# Altium PCB PCB_FRONT.PcbDoc (part 3 of 3)
Units mm, origin at the board's own origin, x right, y up, seen from the top; angles counter-clockwise.
Board outline 310 x 130 mm, 2 copper layers (Top Layer, Bottom Layer); 320 components, 233 nets, 1212 pads, 650 vias.
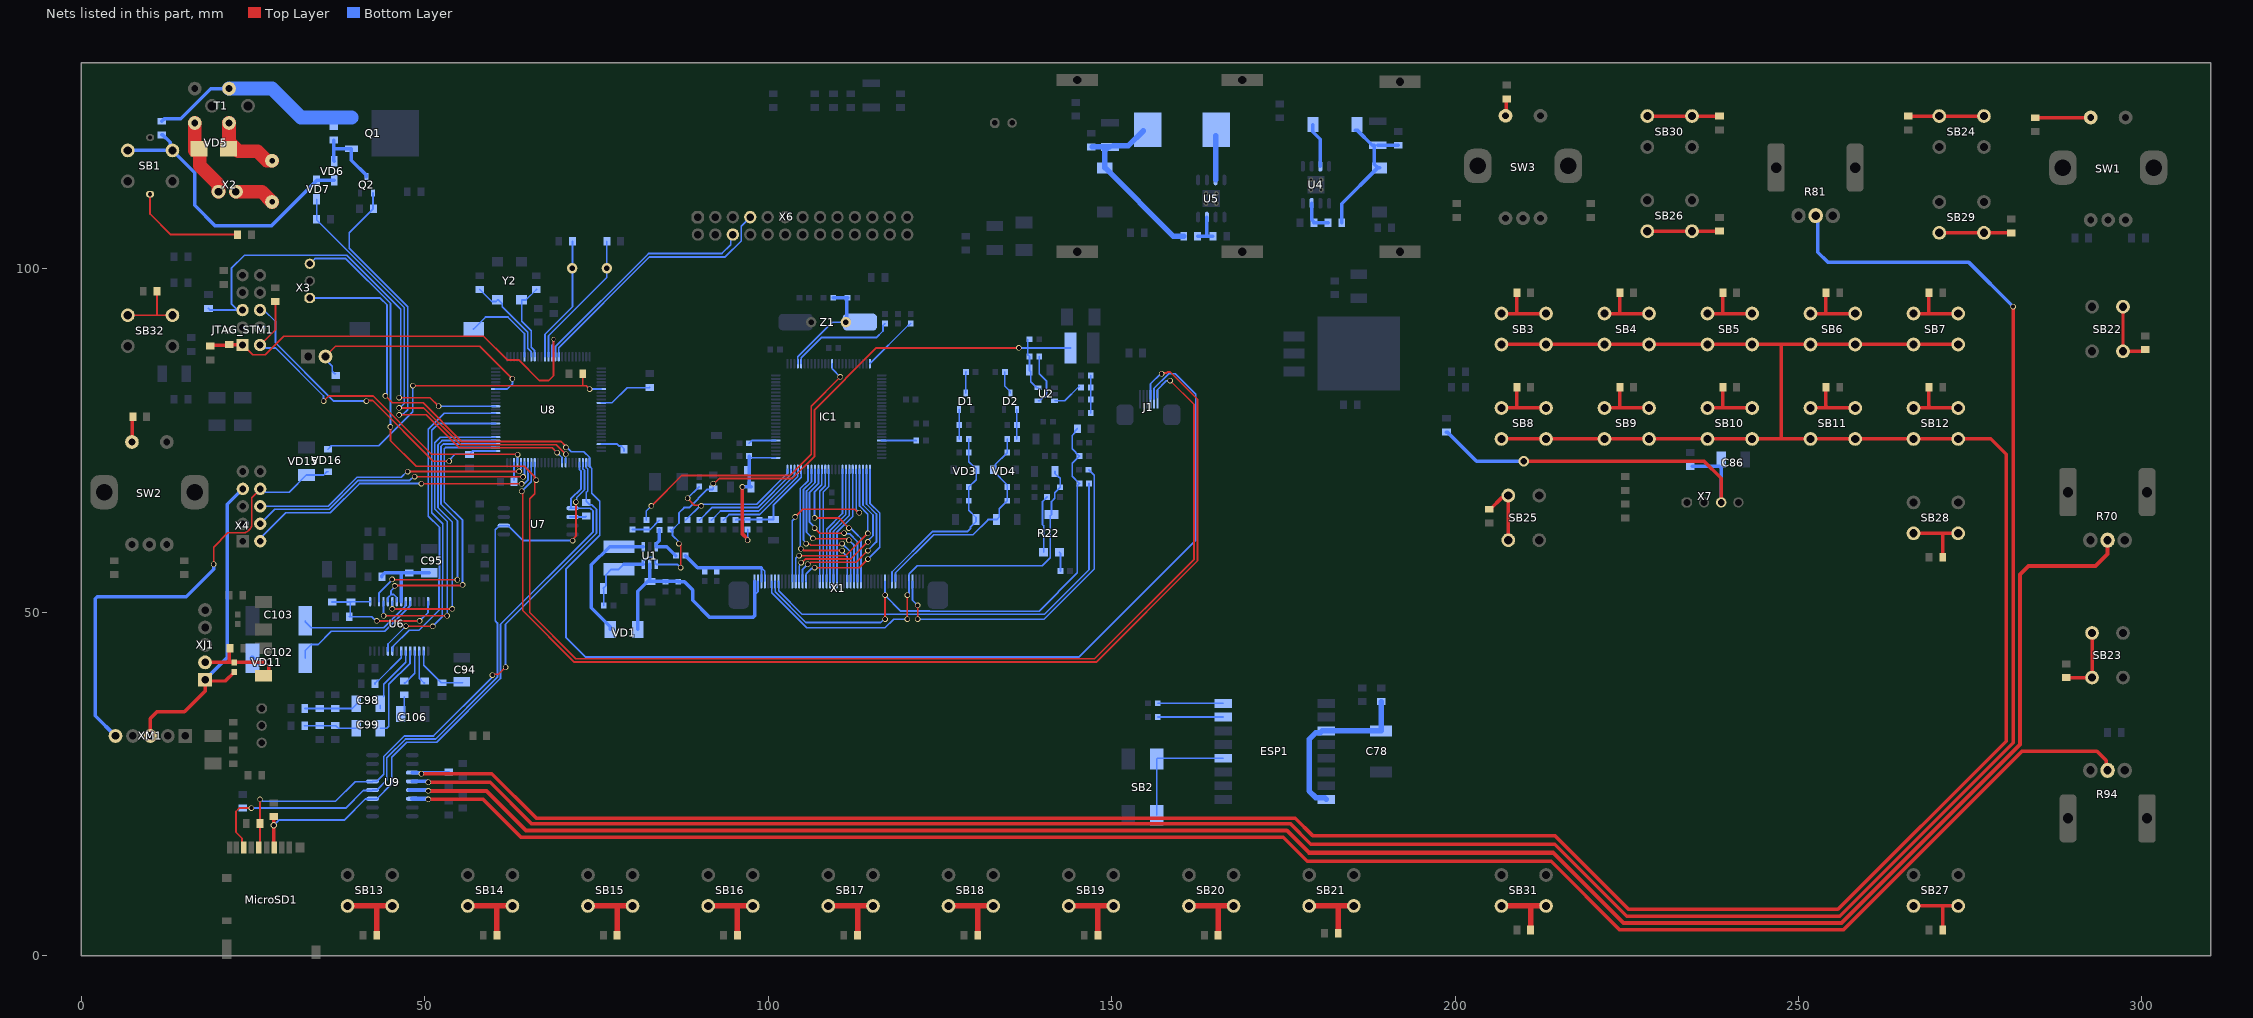
[diagram p3: the nets of this part, all layers, seen from the top]

## Via types
v1: diameter 0.7, hole 0.6, Top Layer to Bottom Layer, tented both sides, 337 vias
v2: diameter 0.8, hole 0.6, Top Layer to Bottom Layer, tented both sides, 249 vias
v3: diameter 1, hole 0.8, Top Layer to Bottom Layer, tented both sides, 37 vias
v4: diameter 5.3, hole 3.2, Top Layer to Bottom Layer, 7 vias
v5: diameter 1.5, hole 1, Top Layer to Bottom Layer, tented both sides, 6 vias
v6: diameter 0.6, hole 0.5, Top Layer to Bottom Layer, tented both sides, 4 vias
v7: diameter 0.6, hole 0.4, Top Layer to Bottom Layer, tented both sides, 3 vias
v8: diameter 1, hole 0.6, Top Layer to Bottom Layer, tented both sides, 3 vias
v9: diameter 1.2, hole 0.9, Top Layer to Bottom Layer, tented both sides, 2 vias
v10: diameter 0.8, hole 0.6, Top Layer to Bottom Layer, tented top, 1 vias
v11: diameter 0.7, hole 0.5, Top Layer to Bottom Layer, tented both sides, 1 vias

## Nets (pads, with @x,y where several pads share a name; then routed paths per layer and width w, separated by ;. In a path a pad name is that pad's centre, name@x,y a point inside that pad or via, vN(x,y) a via of type N, cw(c..) or ccw(c..) an arc to the next point about the centre after c; other vN are vias at no path point) (continued)
NetC5_2: C5.2 C6.2 C9.2 C10.2 FB2.1 L1.2 L2.2 R6.2 R7.2 U1.4 U1.6 U2.5 | length 105.8
  Top Layer w0.254: v2(87.25,56.5) v2@87.25,60 ; v2(92,68.75) 92.148,68.75 92.88,69.482 103.482,69.482 106.75,72.75 106.75,79.5 115.75,88.5 v2(136.5,88.5)
  Bottom Layer w0.254: C10.2@76.05,51 76.05,53.45 C9.2@76,53.5 76.373,53.873 76.373,55.477 77.146,56.25 L2.2@78.25,56.25 L2.2@78.975,56.975 ; U1.6@81.8,56.975 81.8,57.4 82.148,57.748 82.148,57.81 82.34,58.002 83.16,58.002 83.552,57.61 83.552,57.123 U1.4@83.7,56.975 86.775,56.975 v2(87.25,56.5) ; R6.2@85.75,62.05 R6.2@85.899,61.901 ; v2@87,60.25 86.048,61.202 86.048,61.752 R6.2@85.899,61.901 ; v2(92,68.75) FB2.1@92,68 91.893,67.893 91.143,67.893 88.5,65.25 87.75,65.25 87,64.5 87,63.002 R6.2@85.899,61.901 ; v2(136.5,88.5) 137.8,88.5 ; C6.2@137.8,89.75 137.8,88.5 ; U2.5@139.3,82.7 139.1,82.7 138.211,83.589 138.211,85.039 C5.2@138,85.25 138.05,85.3 R7.2@138.05,87.25 137.8,87.5 137.8,88.5 ; L1.2@144,88.5 137.8,88.5
  Bottom Layer w0.508: L2.2@78.975,56.975 U1.6@81.8,56.975
  other v2: 87,60
NetC7_2: C7.2 IC1.4 R4.2 Z1.2 | length 15.8
  Bottom Layer w0.254: IC1.4@104.309,86.201 104.309,87.217 109.341,92.25 Z1.2@111.294,92.25
  Bottom Layer w0.508: R4.2@109.454,95.804 C7.2@111.55,95.804 111.422,95.676 111.422,92.378 Z1.2@111.294,92.25
NetC11_2: C11.2 IC1.5 | length 15.6
  Bottom Layer w0.254: IC1.5@104.809,86.207 104.809,87.075 107.733,90 115.75,90 116.702,90.952 116.702,91.752 116.973,92.023 C11.2@117.023,92.023
NetC14_1: C14.1 R8.2 R10.1 | length 4.5
  Bottom Layer w0.254: C14.1@80.25,62.05 R8.2@82.25,62.05 82.8,62.05 R10.1@84.146,63.396
NetC19_1: C19.1 R11.2 R15.1 R16.2 | length 5.5
  Bottom Layer w0.254: C19.1@146.95,79 R15.1@146.95,81 R11.2@146.95,82.75 R16.2@146.95,84.5
NetC22_1: C22.1 IC1.75 R19.1 | length 23.1
  Top Layer w0.254: v2(88.25,66.604) 89.25,65.604 90.146,65.604 v2(90.25,65.5)
  Bottom Layer w0.254: C22.1@88,63.45 90.3,65.75 98.3,65.75 102.8,70.25 IC1.75@102.8,70.8 ; v2@88.25,66.5 v2(88.25,66.604) R19.1@89.946,68.3
NetC24_1: C24.1 IC1.74 | length 16.8
  Bottom Layer w0.254: C24.1@90,63.45 91.8,65.25 98.475,65.25 103.291,70.067 103.291,70.791 IC1.74@103.3,70.8
NetC27_1: C27.1 IC1.73 | length 15.6
  Bottom Layer w0.254: C27.1@91.75,63.45 93.05,64.75 98.617,64.75 103.791,69.925 103.791,70.791 IC1.73@103.8,70.8
NetC28_2: C28.2 C33.2 IC1.71 R20.2 R23.1 | length 14.5
  Bottom Layer w0.254: R20.2@95.25,63.45 95.3,63.5 97,63.5 98.75,63.5 C28.2@100.75,63.5 100.75,65.599 104.8,69.649 IC1.71@104.8,70.8
NetC30_2: C30.2 D2.3 | length 3.4
  Bottom Layer w0.254: C30.2@134.45,85 134.45,82.95 135.25,82.15 D2.3@135.25,81.95
NetC31_2: C31.2 D1.3 | length 3.1
  Bottom Layer w0.254: D1.3@128.75,81.95 128.75,84.95 C31.2@128.8,85
NetC32_1: C32.1 IC1.72 | length 14.4
  Bottom Layer w0.254: C32.1@93.5,63.45 94.3,64.25 98.759,64.25 104.291,69.783 104.291,70.791 IC1.72@104.3,70.8
NetC35_2: C35.2 C37.2 FB3.2 IC1.76 R23.2 | length 19.2
  Top Layer w0.508: v2(96.25,68.25) 96.25,61.398 97,60.648 v2(97,60.5)
  Bottom Layer w0.254: v2@97,60.75 R23.2@97,62.05 ; C35.2@97.2,68.541 97.491,68.25 C35.2@97.5,68.241 ; C37.2@97.2,72.75 97.45,72.5 IC1.76@101.1,72.5
  Bottom Layer w0.508: v2(96.25,68.25) C35.2@97.491,68.25 ; C35.2@97.2,68.541 C37.2@97.2,72.75
NetC38_2: C38.2 D2.1 R25.1 | length 4.3
  Bottom Layer w0.254: R25.1@136.2,75.25 D2.1@136.2,79.55
NetC39_1: C39.1 D1.2 R24.1 | length 4.3
  Bottom Layer w0.254: R24.1@127.8,75.25 C39.1@127.8,77.25 D1.2@127.8,79.55
NetC69_2: C69.2 C71.2 L3.1 L5.2 R33.2 | length 20.6
  Bottom Layer w0.508: R33.2@183.5,106.75 183.5,109.5 188.7,114.7 L5.2@188.796,114.7 ; L3.1@185.496,120.154 185.796,120.154 187.95,118 188.25,118 188.25,115.246 L5.2@188.796,114.7 ; C71.2@188.75,118 C69.2@191.75,118 ; L5.2@189,114.7 L5.2@188.796,114.7
NetC70_2: C70.2 C72.2 L4.1 L6.2 R34.2 | length 27.2
  Bottom Layer w0.8: C70.2@147.2,117.767 149,117.767 C72.2@149.5,117.767 ; C72.2@149,117.75 C72.2@149.75,117.75 ; C72.2@149.5,117.75 149.258,117.508 149,117.25 149,114.75 159,104.75 R34.2@160.5,104.75 ; C72.2@150.25,117.9 152.4,117.9 L4.1@154.615,120.115
NetC78_1: C78.1 ESP1.3 ESP1.8 FB6.1 | length 25.8
  Bottom Layer w0.8: ESP1.8@181.25,22.75 181,23 179.75,23 178.75,24 178.75,31.5 179.75,32.5 180.4,32.5 180.65,32.75 C78.1@189.25,32.75 FB6.1@189.25,37
NetC86_1: C86.1 C87.2 FB7.1 X7.3 | length 54.1
  Top Layer w0.508: v5(210,72) 236.25,72 238.75,69.5 238.75,66.75
  Bottom Layer w0.508: FB7.1@198.75,76.25 198.875,76.25 203.125,72 v5(210,72) ; C87.2@234.5,71.25 238.452,71.25 238.75,70.952 238.75,66.75
NetC92_2: C92.2 C96.2 FB9.1 U6.1 U6.14 | length 21.6
  Top Layer w0.254: v2(43,48.75) v2(49.25,48.75)
  Bottom Layer w0.254: C92.2@36.5,51.5 FB9.1@39.25,51.5 ; U6.1@42.025,51.559 41.996,51.529 39.279,51.529 FB9.1@39.25,51.5 ; v2(43,48.75) 42.852,48.75 42.257,49.346 C96.2@39,49.346 39.125,49.471 39.125,51.375 FB9.1@39.25,51.5 ; v2(49.25,48.75) 50.457,49.957 50.457,51.54 U6.14@50.475,51.559
NetC93_2: C93.2 C95.1 FB8.1 U6.8 | length 11.4
  Bottom Layer w0.508: FB8.1@43.75,55.191 43.75,55.316 44.184,55.75 46.5,55.75 ; U6.8@46.575,51.559 46.575,55.675 46.5,55.75 ; C95.1@50.613,55.75 C93.2@47.709,55.75 46.5,55.75
NetC94_1: C94.1 C97.2 U6.16 | length 8.8
  Bottom Layer w0.254: U6.16@49.825,44.359 49.825,42.3 52.375,39.75 C94.1@55.5,39.75
NetC98_1: C98.1 U6.20 | length 8.5
  Bottom Layer w0.254: C98.1@43.5,35.959 C98.1@43.5,36.459 ; C98.1@44,37.709 44,39.5 47.207,42.707 47.207,44.34 U6.20@47.225,44.359
NetC98_2: C98.2 C104.1 R42.1 R44.1 | length 7.8
  Bottom Layer w0.254: R44.1@32.519,36 C104.1@34.673,36 R42.1@36.927,36 39.427,36 40,36.573 C98.2@40,36.67
NetC99_1: C99.1 U6.19 | length 13.6
  Bottom Layer w0.254: C99.1@43.5,33.115 44.45,33.115 44.75,33.415 44.75,39.5 47.857,42.607 47.857,44.34 U6.19@47.875,44.359
NetC99_2: C99.2 C105.2 R43.2 R45.1 | length 7.7
  Bottom Layer w0.254: R45.1@32.468,33.5 C105.2@34.673,33.5 R43.2@36.927,33.5 37.052,33.5 37.437,33.115 C99.2@40,33.115
NetC102_1: C102.1 U6.10 | length 19.7
  Bottom Layer w0.254: C102.1@32.6,43.296 32.6,44.446 33.473,45.319 34.468,45.319 36.399,47.25 44.151,47.25 47.727,50.826 47.727,50.86 47.875,51.008 U6.10@47.875,51.559
NetC103_1: C103.1 U6.9 | length 17
  Bottom Layer w0.254: C103.1@32.6,48.75 32.6,48.623 33.473,47.75 44.001,47.75 47.077,50.826 47.077,50.86 47.225,51.008 U6.9@47.225,51.559
NetC106_1: C106.1 R48.2 | length 3
  Bottom Layer w0.254: C106.1@46.5,34.904 47,35.404 R48.2@47,37.709
NetC108_2: C108.2 U8.12 Y1.1 | length 18.5
  Bottom Layer w0.254: U8.12@67.5,87.2 67.5,90.5 71.5,94.5 71.5,100.102 C108.2@71.5,104
NetC109_2: C109.2 U8.13 Y1.2 | length 20.3
  Bottom Layer w0.254: U8.13@68,87.2 68,90.25 76.5,98.75 Y1.2@76.5,100.102 C109.2@76.5,104
NetC111_2: C111.2 U8.48 | length 3.9
  Bottom Layer w0.254: U8.48@75.7,74.5 75.709,74.491 78.009,74.491 78.297,74.203 78.627,74.203 79,73.83 C111.2@79,73.5
NetC112_2: C112.2 U8.73 | length 2.6
  Bottom Layer w0.254: C112.2@63,69.25 62.991,69.259 62.991,71.791 U8.73@63,71.8
NetC115_2: C115.2 U8.32 VD16.1 | length 47.8
  Top Layer w0.254: v2(48.25,83) 73,83 ; C115.2@73,84.75 73,83 ; v2(74,82.5) 73.5,83 73,83
  Bottom Layer w0.254: VD16.1@35.9,73.75 36.4,74.25 43.278,74.25 48.25,79.222 v2(48.25,83) ; v2(74,82.5) U8.32@75.7,82.5
NetC116_1: C116.1 U8.8 Y2.1 | length 13.8
  Bottom Layer w0.254: C116.1@58,97 59.75,95.25 60.356,95.25 Y2.1@60.606,95.5 60.706,95.5 61.279,94.927 61.279,94.471 65,90.75 65,88.425 65.477,87.948 65.477,87.785 65.5,87.762 U8.8@65.5,87.2
NetC117_1: C117.1 U8.9 Y2.4 | length 11.9
  Bottom Layer w0.254: U8.9@66,87.2 66,87.762 65.977,87.785 65.977,88.09 65.5,88.567 65.5,90.996 64.094,92.402 Y2.4@64.094,95.487 64.737,95.487 C117.1@66.25,97
NetESP1_12: ESP1.12 SB2.1 | length 17.9
  Bottom Layer w0.254: SB2.1@156.575,20.45 SB2.1@156.575,28.65 156.675,28.75 ESP1.12@166.25,28.75
NetESP1_15: ESP1.15 R40.1 | length 9.5
  Bottom Layer w0.254: R40.1@156.7,34.75 ESP1.15@166.25,34.75
NetESP1_16: ESP1.16 R39.1 | length 9.5
  Bottom Layer w0.254: R39.1@156.7,36.75 ESP1.16@166.25,36.75
NetFU1_1: FU1.1 T1.2 VD5.2 | length 10.1
  Top Layer w2: T1.2@21.5,121.25 21.5,118.5 22.875,117.125 25.625,117.125 27,115.75 FU1.1@27.75,115.75
NetFU1_2: FU1.2 X2.1 | length 5.9
  Top Layer w2: X2.1@22.5,111.25 26.25,111.25 FU1.2@27.75,109.75
NetG1_1: G1.1 U8.6 | length 12.5
  Bottom Layer w0.254: G1.1@57.1,91.25 58.85,93 62.095,93 64.5,90.595 U8.6@64.5,87.2
NetIC1_25: IC1.25 R5.2 | length 8.4
  Bottom Layer w0.254: IC1.25@114.8,86.2 120.352,91.752 120.452,91.752 R5.2@120.75,92.05
NetIC1_45: IC1.45 R14.2 | length 5
  Bottom Layer w0.254: IC1.45@116.5,75 R14.2@121.55,75
NetIC1_81: IC1.81 R13.1 | length 4.1
  Bottom Layer w0.254: R13.1@97.2,74.604 97.596,75 IC1.81@101.1,75
NetJ2_2: J2.2 R99.2 U8.94 | length 36.5
  Top Layer w0.254: J2.2@35.504,87.254 37,88.75 58,88.75 v2(62.75,84)
  Bottom Layer w0.254: J2.2@35.54,87.25 35.54,86.778 36.502,85.816 36.502,85.123 36.875,84.75 R99.2@37,84.75 ; U8.94@60.3,82.5 60.309,82.509 62.009,82.509 62.75,83.25 v2(62.75,84)
NetL2_1: L2.1 U1.1 VD1.1 | length 19.2
  Bottom Layer w0.508: VD1.1@77,47.5 77,47.9 74.25,50.65 74.25,56.9 76.9,59.55 L2.1@78.25,59.55 U1.1@81.8,59.55
NetL3_2: L3.2 U4.7 | length 6.5
  Bottom Layer w0.508: L3.2@179.3,121 179.3,119.95 180.385,118.865 U4.7@180.385,114.95
NetL4_2: L4.2 U5.7 | length 6.4
  Bottom Layer w0.8: U5.7@165.135,112.95 L4.2@165.135,119.385
NetQ1_1: Q1.1 Q2.3 R29.1 VD6.1 | length 10.6
  Bottom Layer w0.508: R29.1@36.75,118.75 36.75,117.5 ; VD6.1@36.805,115.679 36.75,115.734 36.75,117.5 ; Q2.3@41.5,113.45 41.5,113.65 39.309,115.841 Q1.1@39.309,117.47 36.78,117.47 36.75,117.5
NetQ1_2: Q1.2 R29.2 R30.2 T1.1 | length 31.3
  Bottom Layer w0.508: R30.2@11.719,121.5 12.092,121.873 14.434,121.873 18.811,126.25 T1.1@21.5,126.25
  Bottom Layer w2: T1.1@21.5,126.25 27.75,126.25 31.97,122.03 Q1.2@39.309,122.03
NetR1_2: R1.2 X1.8 | length 63.2
  Bottom Layer w0.254: X1.8@101.5,54.5 101.523,54.477 101.523,53.124 104.92,49.727 122.566,49.727 122.574,49.719 140.219,49.719 146.7,56.2 R1.2@146.7,68.75
NetR2_1: R2.1 X1.47 | length 49.3
  Top Layer w0.254: v2(121.75,49) v2(121.75,51)
  Bottom Layer w0.254: X1.47@121,54.5 121,51.75 v2(121.75,51) ; v2(121.75,49) 140.142,49 147.452,56.31 147.452,69.948 R2.1@146.65,70.75
NetR7_1: R7.1 U2.4 | length 7.7
  Bottom Layer w0.254: U2.4@139.3,80.8 139.5,80.8 140.02,81.32 140.32,81.32 140.5,81.5 140.5,83.701 139.45,84.751 R7.1@139.45,87.25
NetR9_1: R9.1 R10.2 U1.3 | length 6
  Bottom Layer w0.508: R10.2@84.146,61.996 84.146,60.421 83.7,59.975 U1.3@83.7,59.55 85.25,59.55 R9.1@86.55,58.25
NetR11_1: R11.1 U2.3 | length 4.4
  Bottom Layer w0.254: U2.3@141.7,80.8 143.163,80.8 R11.1@145.25,82.887
NetR17_2: R17.2 R22.3 | length 2.8
  Bottom Layer w0.254: R22.3@142.4,58.75 142.55,58.6 R17.2@142.55,56
NetR18_1: R18.1 SB32.2 | length 10
  Top Layer w0.254: SB32.2@6.75,93.25 11,93.25 ; R18.1@11,96.75 11,93.25 ; SB32.2@13.25,93.25 11,93.25
NetR21_1: R21.1 R22.1 | length 8.4
  Bottom Layer w0.254: R22.1@140.1,58.75 140.1,62.607 139.923,62.784 139.923,66.119 R21.1@140.604,66.8
NetR30_1: R30.1 SB1.1 VD6.2 VD7.2 | length 43.1
  Bottom Layer w0.508: SB1.1@6.75,117.25 SB1.1@13.25,117.25 ; R30.1@11.719,119.5 11.844,119.5 12.916,118.428 12.916,117.584 SB1.1@13.25,117.25 ; VD6.2@36.805,112.929 34.304,112.929 VD7.2@34.25,112.875 27.625,106.25 19.5,106.25 16.5,109.25 16.5,114 SB1.1@13.25,117.25
NetR31_2: R31.2 R33.1 U4.3 | length 5
  Bottom Layer w0.508: U4.3@179.115,109.55 179.133,109.532 179.133,107.188 179.446,106.875 R31.2@179.446,106.75 R33.1@181.5,106.75
NetR32_2: R32.2 R34.1 U5.3 | length 5.1
  Bottom Layer w0.508: R34.1@162.5,104.75 163.95,104.75 ; U5.3@163.865,107.55 163.865,104.835 163.95,104.75 ; R32.2@164.75,104.75 163.95,104.75
NetR41_1: R41.1 U6.21 | length 6.4
  Bottom Layer w0.254: R41.1@42.75,39.574 42.75,39.699 43.123,40.072 43.248,40.072 46.557,43.381 46.557,44.34 U6.21@46.575,44.359
NetR48_1: R48.1 U6.18 | length 5.4
  Bottom Layer w0.254: R48.1@47,39.709 47.125,39.709 48.525,41.109 U6.18@48.525,44.359
NetR49_1: R49.1 U6.17 | length 5.1
  Bottom Layer w0.254: U6.17@49.175,44.359 49.175,40.409 49.875,39.709 R49.1@50,39.709
NetR55_1: R55.1 U7.6 | length 2.4
  Bottom Layer w0.254: U7.6@71.11,63.885 73.385,63.885 R55.1@73.5,64
NetR56_2: R56.2 U8.36 | length 8
  Bottom Layer w0.254: U8.36@75.7,80.5 75.709,80.509 77.259,80.509 79.454,82.704 82.704,82.704 R56.2@82.75,82.75
NetR57_1: R57.1 SB21.2 | length 10.5
  Top Layer w0.8: SB21.2@178.75,7.25 183,7.25 ; R57.1@183,3.25 183,7.25 ; SB21.2@185.25,7.25 183,7.25
NetR59_1: R59.1 SB3.2 | length 9.5
  Top Layer w0.508: SB3.2@206.75,93.5 209,93.5 ; R59.1@209,96.5 209,93.5 ; SB3.2@213.25,93.5 209,93.5
NetR60_1: R60.1 SB4.2 | length 9.5
  Top Layer w0.508: SB4.2@221.75,93.5 224,93.5 ; R60.1@224,96.5 224,93.5 ; SB4.2@228.25,93.5 224,93.5
NetR61_1: R61.1 SB5.2 | length 9.5
  Top Layer w0.508: SB5.2@236.75,93.5 239,93.5 ; R61.1@239,96.5 239,93.5 ; SB5.2@243.25,93.5 239,93.5
NetR62_1: R62.1 SB6.2 | length 9.5
  Top Layer w0.508: SB6.2@251.75,93.5 254,93.5 ; R62.1@254,96.5 254,93.5 ; SB6.2@258.25,93.5 254,93.5
NetR63_1: R63.1 SB7.2 | length 9.5
  Top Layer w0.508: SB7.2@266.75,93.5 269,93.5 ; R63.1@269,96.5 269,93.5 ; SB7.2@273.25,93.5 269,93.5
NetR64_1: R64.1 SB8.2 | length 9.5
  Top Layer w0.508: SB8.2@206.75,79.75 209,79.75 ; R64.1@209,82.75 209,79.75 ; SB8.2@213.25,79.75 209,79.75
NetR65_1: R65.1 SB9.2 | length 9.5
  Top Layer w0.508: SB9.2@221.75,79.75 224,79.75 ; R65.1@224,82.75 224,79.75 ; SB9.2@228.25,79.75 224,79.75
NetR66_1: R66.1 SB10.2 | length 9.5
  Top Layer w0.508: SB10.2@236.75,79.75 239,79.75 ; R66.1@239,82.75 239,79.75 ; SB10.2@243.25,79.75 239,79.75
NetR67_1: R67.1 SB11.2 | length 9.6
  Top Layer w0.508: SB11.2@251.75,79.75 254.25,79.75 ; R67.1@254,82.75 254,80 254.25,79.75 ; SB11.2@258.25,79.75 254.25,79.75
NetR68_1: R68.1 SB12.2 | length 9.6
  Top Layer w0.508: SB12.2@266.75,79.75 269.25,79.75 ; R68.1@269,82.75 269,80 269.25,79.75 ; SB12.2@273.25,79.75 269.25,79.75
NetR69_1: R69.1 SW1.5 | length 8.1
  Top Layer w0.508: R69.1@284.5,122 284.524,122.024 292.526,122.024 SW1.5@292.55,122.047
NetR70_2: R70.2 U9.5 | length 294
  Top Layer w0.6: v2(50.5,24) 59,24 64.75,18.25 175.5,18.25 178.75,15 214.25,15 224.5,4.75 256.25,4.75 282.25,30.75 282.25,55.5 283.5,56.75 293.25,56.75 295,58.5 R70.2@295,60.5
  Bottom Layer w0.6: U9.5@47.75,24.118 U9.5@48.175,24.118 50.355,24.118 50.473,24 v2(50.5,24)
NetR72_1: R72.1 SB13.2 | length 10.7
  Top Layer w0.8: SB13.2@38.75,7.25 43,7.25 ; R72.1@43,3 43,7.25 ; SB13.2@45.25,7.25 43,7.25
NetR73_1: R73.1 SB14.2 | length 10.7
  Top Layer w0.8: SB14.2@56.25,7.25 60.5,7.25 ; R73.1@60.5,3 60.5,7.25 ; SB14.2@62.75,7.25 60.5,7.25
NetR74_1: R74.1 SB15.2 | length 10.7
  Top Layer w0.8: SB15.2@73.75,7.25 78,7.25 ; R74.1@78,3 78,7.25 ; SB15.2@80.25,7.25 78,7.25
NetR75_1: R75.1 SB16.2 | length 10.7
  Top Layer w0.8: SB16.2@91.25,7.25 95.5,7.25 ; R75.1@95.5,3 95.5,7.25 ; SB16.2@97.75,7.25 95.5,7.25
NetR76_1: R76.1 SB17.2 | length 10.7
  Top Layer w0.8: SB17.2@108.75,7.25 113,7.25 ; R76.1@113,3 113,7.25 ; SB17.2@115.25,7.25 113,7.25
NetR77_1: R77.1 SB18.2 | length 10.7
  Top Layer w0.8: SB18.2@126.25,7.25 130.5,7.25 ; R77.1@130.5,3 130.5,3.225 130.5,7.25 ; SB18.2@132.75,7.25 130.5,7.25
NetR78_1: R78.1 SB19.2 | length 10.7
  Top Layer w0.8: SB19.2@143.75,7.25 148,7.25 ; R78.1@148,3 148,7.25 ; SB19.2@150.25,7.25 148,7.25
NetR79_1: R79.1 SB20.2 | length 10.7
  Top Layer w0.8: SB20.2@161.25,7.25 165.5,7.25 ; R79.1@165.5,3 165.5,7.25 ; SB20.2@167.75,7.25 165.5,7.25
NetR80_1: R80.1 SB3.1 SB4.1 SB5.1 SB6.1 SB7.1 SB8.1 SB9.1 SB10.1 SB11.1 SB12.1 U9.3 | length 450.8
  Top Layer w0.508: v2(49.5,26.5) 59.75,26.5 66.25,20 176.75,20 179.25,17.5 214.5,17.5 225.25,6.75 255.749,6.75 280.25,31.251 280.25,73 278,75.25 SB12.1@273.25,75.25 SB12.1@266.75,75.25 SB11.1@258.25,75.25 247.5,75.25 ; SB8.1@206.75,75.25 SB9.1@221.75,75.25 SB9.1@228.25,75.25 SB10.1@236.75,75.25 SB10.1@243.25,75.25 247.5,75.25 ; SB3.1@206.75,89 SB3.1@213.25,89 SB4.1@221.75,89 SB4.1@228.25,89 SB5.1@236.75,89 SB5.1@243.25,89 247.5,89 ; SB7.1@273.25,89 SB7.1@266.75,89 SB6.1@258.25,89 SB6.1@251.75,89 247.5,89 ; 247.5,75.25 247.5,89
  Bottom Layer w0.508: U9.3@48.175,26.658 48.193,26.676 R80.1@53.5,26.676
NetR81_2: R81.2 U9.4 | length 352.3
  Top Layer w0.508: v2(50.5,25.25) 59.5,25.25 65.5,19.25 176,19.25 179,16.25 214.5,16.25 225,5.75 256,5.75 281.25,31 v2(281.25,94.5)
  Bottom Layer w0.508: U9.4@48.175,25.388 48.193,25.37 50.328,25.37 50.448,25.25 v2(50.5,25.25) ; R81.2@252.5,107.75 252.805,107.445 252.805,102.445 254.25,101 274.75,101 v2(281.25,94.5)
NetR83_1: R83.1 SW2.5 | length 3.8
  Top Layer w0.508: SW2.5@7.35,74.797 7.425,74.872 7.425,78.425 R83.1@7.5,78.5
NetR84_1: R84.1 SB22.2 | length 9.9
  Top Layer w0.508: SB22.2@297.25,94.5 SB22.2@297.25,88 300.125,88 300.375,88.25 R84.1@300.5,88.25
NetR85_1: R85.1 SB23.2 | length 10.2
  Top Layer w0.508: R85.1@289,40.5 SB23.2@292.75,40.5 SB23.2@292.75,47
NetR86_1: R86.1 SB24.2 | length 11
  Top Layer w0.508: R86.1@266,122.25 SB24.2@270.5,122.25 SB24.2@277,122.25
NetR87_1: R87.1 SB25.2 | length 10.1
  Top Layer w0.508: R87.1@205,65 205.125,65 206.84,66.715 207.465,66.715 SB25.2@207.75,67 SB25.2@207.75,60.5
NetR88_1: R88.1 SB26.2 | length 10.5
  Top Layer w0.508: SB26.2@227.996,105.488 228.002,105.494 238.494,105.494 R88.1@238.5,105.5
NetR89_1: R89.1 SB27.2 | length 10
  Top Layer w0.508: SB27.2@266.75,7.25 271,7.25 ; R89.1@271,3.75 271,7.25 ; SB27.2@273.25,7.25 271,7.25
NetR90_1: R90.1 SB28.2 | length 10
  Top Layer w0.508: SB28.2@266.75,61.5 271,61.5 ; R90.1@271,58 271,61.5 ; SB28.2@273.25,61.5 271,61.5
NetR91_1: R91.1 SB29.2 | length 10.5
  Top Layer w0.508: SB29.2@270.5,105.25 SB29.2@277,105.25 R91.1@281,105.25
NetR92_1: R92.1 SB30.2 | length 10.5
  Top Layer w0.508: SB30.2@228,122.25 SB30.2@234.5,122.25 R92.1@238.5,122.25
NetR93_1: R93.1 SB31.2 | length 10
  Top Layer w0.8: SB31.2@206.75,7.25 211,7.25 ; R93.1@211,3.75 211,7.25 ; SB31.2@213.25,7.25 211,7.25
NetR94_2: R94.2 U9.6 | length 267.4
  Top Layer w0.508: v2(50.5,22.75) 58.5,22.75 64,17.25 175,17.25 178.5,13.75 214,13.75 224,3.75 256.5,3.75 282.54,29.79 293.46,29.79 294.827,28.423 294.827,27.173 R94.2@295,27
  Bottom Layer w0.6: U9.6@48.175,22.848 50.375,22.848 50.473,22.75 v2(50.5,22.75)
NetR95_1: R95.1 SW3.5 | length 2.5
  Top Layer w0.508: SW3.5@207.35,122.297 207.425,122.372 207.425,124.675 R95.1@207.5,124.75
NetR100_1: R100.1 SB1.4 | length 16.9
  Top Layer w0.254: SB1.4@10,110.875 10,108 13,105 R100.1@22.75,105
NetT1_4: T1.4 VD5.1 X2.2 | length 11.4
  Top Layer w2: VD5.1@16.5,117.25 T1.4@16.5,121.25 ; VD5.1@17.1,117.5 17.246,117.354 17.246,115.004 19.96,112.29 X2.2@19.96,111.25
PDAT0: IC1.51 X1.16 | length 25.3
  Top Layer w0.254: v2(106.75,56.5) 113.25,56.5 v2(114.5,57.75)
  Bottom Layer w0.254: X1.16@105.5,54.5 105.523,54.523 105.523,55.592 106.327,56.396 106.646,56.396 v2(106.75,56.5) ; v2(114.5,57.75) 116.25,59.5 116.25,64.454 114.8,65.904 IC1.51@114.8,70.8
PDAT1: IC1.52 X1.15 | length 25.3
  Top Layer w0.254: v2(105.75,57) 105.867,57 106.172,57.305 112.805,57.305 v2(114.5,59)
  Bottom Layer w0.254: X1.15@105,54.5 105,56.25 v2(105.75,57) ; IC1.52@114.3,70.8 114.3,65.762 115.75,64.312 115.75,60.25 v2(114.5,59)
PDAT2: IC1.53 X1.14 | length 25.3
  Top Layer w0.254: v2(104.782,57.25) 104.93,57.25 105.457,57.778 109.36,57.778 109.379,57.759 112.009,57.759 v2(114.5,60.25)
  Bottom Layer w0.254: X1.14@104.5,54.5 104.5,56.75 104.593,56.843 104.593,56.913 104.782,57.102 v2(104.782,57.25) ; IC1.53@113.8,70.8 113.8,65.62 115.25,64.17 115.25,61.148 114.5,60.398 v2(114.5,60.25)
PDAT3: IC1.54 X1.13 | length 25.2
  Top Layer w0.254: v2(104.5,58.25) 111.25,58.25 v2(114.5,61.5)
  Bottom Layer w0.254: X1.13@104,54.5 104,57.853 104.397,58.25 v2(104.5,58.25) ; IC1.54@113.3,70.8 113.3,65.478 114.5,64.278 v2(114.5,61.5)
PDAT4: IC1.55 X1.12 | length 26
  Top Layer w0.254: v2(103.934,63.888) 105.046,65 112.602,65 113.102,64.5 v2(113.25,64.5)
  Bottom Layer w0.254: X1.12@103.5,54.5 103.5,63.306 103.934,63.74 v2(103.934,63.888) ; IC1.55@112.8,70.8 112.8,64.95 v2(113.25,64.5)
PDAT5: IC1.56 X1.25 | length 17.3
  Bottom Layer w0.254: X1.25@110,54.5 110,61.655 112.3,63.955 IC1.56@112.3,70.8
PDAT6: IC1.57 X1.24 | length 17.3
  Bottom Layer w0.254: X1.24@109.5,54.5 109.5,61.797 111.8,64.097 IC1.57@111.8,70.8
PDAT7: IC1.58 X1.23 | length 17.3
  Bottom Layer w0.254: X1.23@109,54.5 109,61.939 111.3,64.239 IC1.58@111.3,70.8
PDAT8: IC1.59 X1.22 | length 17.3
  Bottom Layer w0.254: X1.22@108.5,54.5 108.5,62.081 110.8,64.381 IC1.59@110.8,70.8
PDAT9: IC1.63 X1.21 | length 16.6
  Bottom Layer w0.254: X1.21@108,54.5 108,67.512 108.8,68.312 IC1.63@108.8,70.8
PDAT10: IC1.64 X1.20 | length 16.6
  Bottom Layer w0.254: X1.20@107.5,54.5 107.5,67.654 108.3,68.455 IC1.64@108.3,70.8
PDAT11: IC1.65 X1.32 | length 21.5
  Top Layer w0.254: v2@107,63.75 110.25,63.75 v2(111.75,62.25)
  Bottom Layer w0.254: v2(106.75,63.75) 106.75,67.547 107.8,68.597 IC1.65@107.8,70.8 ; v2(111.75,62.25) 111.854,62.146 112.104,62.146 112.802,61.448 113.5,60.75 X1.32@113.5,54.5
PDAT12: IC1.66 X1.31 | length 21.9
  Top Layer w0.254: v2@107,62 107.5,61.5 111,61.5 v2(111.043,61.543)
  Bottom Layer w0.254: v2(106.75,62.25) 106.75,62.398 106.023,63.125 106.023,67.462 107.3,68.739 IC1.66@107.3,70.8 ; v2(111.043,61.543) 111.147,61.438 111.84,61.438 113,60.278 X1.31@113,54.5
PDAT13: IC1.67 X1.30 | length 22.6
  Top Layer w0.254: v2(106.5,60.75) 106.523,60.727 111.375,60.727 111.602,60.5 v2(111.75,60.5)
  Bottom Layer w0.254: v2(106.5,60.75) 105.569,61.681 105.569,67.65 106.8,68.881 IC1.67@106.8,70.8 ; v2(111.75,60.5) 112.5,59.75 X1.30@112.5,54.5
PDAT14: IC1.68 X1.29 | length 22.9
  Top Layer w0.254: v2(105.5,60) 105.604,59.896 106.076,59.896 106.199,59.773 110.375,59.773 110.602,60 v2(110.75,60)
  Bottom Layer w0.254: v2(105.5,60) 105.5,60.148 105.115,60.533 105.115,67.838 106.3,69.023 IC1.68@106.3,70.8 ; v2(110.75,60) 110.778,60 112,58.778 X1.29@112,54.5
PDAT15: IC1.69 X1.28 | length 23
  Top Layer w0.254: v2(104.75,59.25) 104.898,59.25 105.148,59 v2(110.75,59)
  Bottom Layer w0.254: v2(104.75,59.25) 104.661,59.339 104.661,68.026 105.8,69.165 IC1.69@105.8,70.8 ; v2(110.75,59) 110.75,58.852 111.5,58.102 X1.28@111.5,54.5
PERI_MISO: MicroSD1.7 R38.1 U7.2 U8.53 U9.12 | length 101.2
  Top Layer w0.254: MicroSD1.7@23.65,15.75 23.377,16.023 23.377,17.123 22.5,18 22.5,21 23,21.5 v2(24.75,21.5) ; v2(71.5,60.445) 71.5,60.593 72,61.093 v2(72,66.055)
  Bottom Layer w0.254: R38.1@23.5,21.5 v2(24.75,21.5) 38.5,21.5 41.052,24.052 42.309,24.052 U9.12@42.375,24.118 42.995,24.118 44.462,25.585 44.462,28.82 47.188,31.546 51.546,31.546 60.569,40.569 60.569,48.431 60.25,48.75 60.25,62 60.865,62.615 U7.2@61.5,62.615 62.135,62.615 64.305,60.445 v2(71.5,60.445) ; v2(72,66.055) 72.104,66.159 72.104,66.712 73.25,67.858 73.25,70.67 73.009,70.911 73.009,71.791 U8.53@73,71.8
PERI_MOSI: MicroSD1.3 R36.1 U7.5 U8.54 U9.11 | length 89.6
  Top Layer w0.508: R36.1@28,20.25 28.025,20.225 28.025,15.775 MicroSD1.3@28.05,15.75
  Bottom Layer w0.254: v8(28,19) 28.75,19.75 38.25,19.75 41.321,22.821 42.973,22.821 45.17,25.018 45.17,28.886 47.376,31.092 51.734,31.092 61.023,40.381 61.023,48.273 74.5,61.75 74.5,64.75 74.095,65.155 U7.5@71.5,65.155 U7.5@71.11,65.155 ; U7.5@71.166,65.155 71.264,65.253 71.264,66.514 72.75,68 72.75,70.528 72.523,70.755 72.523,71.215 72.5,71.238 U8.54@72.5,71.8
PERI_SCK: MicroSD1.5 R35.1 R55.2 U8.52 U9.13 | length 88.9
  Top Layer w0.254: MicroSD1.5@25.85,15.75 26,15.9 v2(26,22.75) ; v2(59.842,40.87) 59.946,40.975 60.725,40.975 v2(61.75,42)
  Bottom Layer w0.254: v2(26,22.75) 26.148,22.75 26.398,22.5 37,22.5 39.841,25.341 42.328,25.341 U9.13@42.375,25.388 42.975,25.388 44,26.413 44,29 47,32 51.25,32 59.738,40.488 59.738,40.766 v2(59.842,40.87) ; v2(61.75,42) 61.75,48.25 75,61.5 75,65 74.328,65.672 73.998,65.672 73.5,66.17 73.5,67.466 73.704,67.67 73.704,70.858 73.509,71.053 73.509,71.791 U8.52@73.5,71.8
PTT_IN: VD15.2 VD16.2 X4.8 XM1.5 | length 67.9
  Top Layer w0.254: v2(19.25,57) 19.25,59.5 21.331,61.581 23.764,61.581 ccw(c23.763,61.835) 23.791,61.583 23.838,61.588 23.879,61.61 ccw(c23.763,61.835) 23.882,61.611 ccw(c22.846,63.55) 24.778,62.501 ccw(c24.555,62.621) 24.78,62.504 24.809,62.559 24.809,66.676 26.036,67.903 X4.8@26.036,67.974
  Top Layer w0.508: XM1.5@4.675,32.285 XM1.5@4.96,32
  Bottom Layer w0.254: X4.8@26.036,67.974 26.385,67.974 26.86,67.5 30.25,67.5 VD15.2@32.75,70 35.27,70 35.745,70.475 VD16.2@35.9,70.475
  Bottom Layer w0.508: XM1.5@4.96,32 2,34.96 2,51.952 2.298,52.25 15.25,52.25 19.25,56.25 v2(19.25,57)
PTT_OUT: U8.69 X4.2 | length 45.5
  Top Layer w0.254: v2(49.5,68.75) 49.524,68.726 64.075,68.726 v2(64.1,68.7)
  Bottom Layer w0.254: X4.2@26.036,60.354 26.036,60.773 26.472,61.209 26.472,61.222 29.75,64.5 36.25,64.5 40.5,68.75 v2(49.5,68.75) ; v2(64.1,68.7) 64.204,68.805 64.555,68.805 65.035,69.285 65.035,70.18 65,70.215 U8.69@65,71.8
PWM1: IC1.14 R8.1 | length 43.8
  Top Layer w0.254: v2@83.25,65.75 87.436,69.936 103.186,69.936 106.25,73 106.25,80.028 v2(110.486,84.264)
  Bottom Layer w0.254: R8.1@82.25,63.45 82.25,64.75 v2(83,65.5) ; IC1.14@109.3,86.2 109.309,86.191 109.309,85.441 v2(110.486,84.264)
PWR_HOLD: Q2.1 R28.2 U8.59 | length 65.2
  Top Layer w0.254: v2(46.25,78.75) 50.216,78.75 55.018,73.948 68.552,73.948 69.249,73.251 v2(69.249,73.249)
  Bottom Layer w0.254: Q2.1@42.45,111.05 42.45,108.8 R28.2@42.5,108.75 39,105.25 39,103.017 47.5,94.517 47.5,79.5 46.798,78.798 46.298,78.798 v2(46.25,78.75) ; v2(69.249,73.249) 69.276,73.249 69.977,72.548 ; 69.977,72.547 69.991,72.532 69.991,71.809 U8.59@70,71.8
PWR_ON: C50.1 U8.58 VD7.1 | length 64.3
  Top Layer w0.254: v2(46.25,79.75) 49.858,79.75 55.206,74.402 69.123,74.402 69.801,73.725 69.801,73.722 70.5,73.023 v2(70.528,73.023)
  Bottom Layer w0.254: VD7.1@34.25,110.125 34.25,107.125 47,94.375 47,80.398 46.352,79.75 v2(46.25,79.75) ; U8.58@70.5,71.8 70.509,71.809 70.509,73.004 v2(70.528,73.023)
RHP_OUT: R97.1 X4.7 XJ1.1 XM1.3 | length 48.7
  Top Layer w0.508: XM1.3@10.04,32 10.04,34.54 11,35.5 15,35.5 18,38.5 XJ1.1@18,40.17 18.17,40 20.95,40 R97.1@22.25,41.3
  Bottom Layer w0.508: XJ1.1@18,40.17 21.25,43.42 21.25,65.729 X4.7@23.496,67.974
RHP_OUT_DAC: C102.2 R47.1 R97.2 VD11.2 XJ1.2 | length 16.4
  Top Layer w0.508: XJ1.2@18,42.71 18.005,42.705 21.55,42.705 ; R47.1@21.646,44.754 21.55,44.659 21.55,42.705 ; VD11.2@26.5,40.75 26.8,40.75 27.25,41.2 v2(27.25,42.75) 27.2,42.7 R97.2@22.25,42.7 22.245,42.705 21.55,42.705
  Bottom Layer w0.8: C102.2@24.9,43.296 25.446,42.75 v2(27.25,42.75)
STM_NRST: C110.2 JTAG_STM1.1 R51.2 U8.14 | length 62.7
  Top Layer w0.254: JTAG_STM1.1@23.5,88.92 24.92,87.5 26.75,87.5 29.454,90.204 58.546,90.204 62,86.75 63.649,86.75 66.649,83.75 68.028,83.75 68.75,84.472 v6(68.75,89.75)
  Top Layer w0.508: C110.2@18.75,88.75 18.875,88.875 21.375,88.875 R51.2@21.5,89 21.54,88.96 23.46,88.96 JTAG_STM1.1@23.5,88.92
  Bottom Layer w0.254: U8.14@68.5,87.2 68.5,88.88 68.684,89.063 68.684,89.684 v6(68.75,89.75)
SWCLK: JTAG_STM1.6 R54.1 U8.76 | length 45.4
  Top Layer w0.254: v2(41.5,80.75) 41.592,80.842 42.408,80.842 51.25,72 v2(53.543,72)
  Bottom Layer w0.254: JTAG_STM1.6@26.59,94 28.25,92.34 28.25,89.25 36.75,80.75 v2(41.5,80.75) ; v2(53.543,72) 53.543,72.148 54.395,73 R54.1@56.5,73 57,73.5 U8.76@60.3,73.5
SWDIO: JTAG_STM1.2 R53.2 U8.72 | length 53
  Top Layer w0.254: JTAG_STM1.2@26.04,88.92 28.25,91.13 R53.2@28.25,95.25 ; v2(35.25,80.75) 36,81.5 42.472,81.5 50.972,73 63.467,73 v2(63.5,72.967)
  Bottom Layer w0.254: JTAG_STM1.2@26.545,88.875 26.545,88.833 26.88,88.498 28.252,88.498 35.25,81.5 v2(35.25,80.75) ; U8.72@63.5,71.8 v2(63.5,72.967)
SWO: JTAG_STM1.5 R52.2 U8.89 | length 67.8
  Top Layer w0.254: v2(46.25,81.25) 50.75,81.25 v2(52,80)
  Bottom Layer w0.254: R52.2@18.5,94.25 18.75,94 JTAG_STM1.5@22.75,94 ; JTAG_STM1.5@23.5,94 JTAG_STM1.5@22.75,94 ; v2(46.25,81.25) 46.25,81.398 46.5,81.648 46.5,94.142 38.642,102 23.75,102 21.841,100.091 21.841,94.909 JTAG_STM1.5@22.75,94 ; v2(52,80) U8.89@60.3,80
SWR_BACKW: U8.16 X6.7 | length 38.4
  Bottom Layer w0.254: U8.16@69.5,87.2 69.509,87.209 69.509,88.543 82.716,101.75 93.75,101.75 96.067,104.067 96.067,106.227 X6.7@97.38,107.54
SWR_FORW: U8.15 X6.6 | length 34.8
  Bottom Layer w0.254: U8.15@69,87.2 69.009,87.209 69.009,88.685 82.574,102.25 93.25,102.25 94.544,103.544 94.544,104.704 X6.6@94.84,105
T_I2C_SCL: J1.6 U8.67 X3.3 | length 217.4
  Top Layer w0.254: v2(45,77) 45,75 48.75,71.25 64.5,71.25 65.857,69.893 65.952,69.798 65.952,69.298 v2@66,69.25 ; v2(66.227,69.25) v2@66,69.25 ; v2(158.5,83.75) 162,80.25 162,57.75 147.5,43.25 72,43.25 65.273,49.977 65.273,66.525 66,67.252 v2@66,69.25
  Bottom Layer w0.254: X3.3@33.25,100.75 34,101.5 38.5,101.5 45,95 v2(45,77) ; U8.67@66,71.8 66,69.625 66.227,69.398 v2(66.227,69.25) ; J1.6@156.627,81.25 156.627,82.377 157.952,83.702 158.452,83.702 v2(158.5,83.75)
T_I2C_SDA: J1.5 U8.51 X3.1 | length 218.4
  Top Layer w0.254: v2(44.264,81.514) 45.278,80.5 49.75,80.5 55.394,74.856 69.871,74.856 70.154,74.574 70.154,74.545 70.528,74.171 v2(70.528,74.023)
  Bottom Layer w0.254: X3.1@33.25,95.75 43.5,95.75 44.5,94.75 44.5,81.898 44.264,81.662 v2(44.264,81.514) ; v2(70.528,74.023) 70.675,74.023 71.229,73.469 71.258,73.469 71.332,73.396 73.129,73.396 73.991,72.533 73.991,71.246 74.296,70.942 74.296,67.354 75.454,66.196 75.454,61.204 70.537,56.287 70.537,46.355 73.415,43.477 145.227,43.477 162.25,60.5 162.25,81.75 159.25,84.75 158.306,84.75 156.173,82.617 156.173,81.048 J1.5@156.15,81.025
T_INT: J1.4 U8.68 | length 164.6
  Top Layer w0.254: v2(64.119,67.619) 64.224,67.515 64.224,67.215 64.241,67.197 64.241,50.259 71.75,42.75 147.75,42.75 162.5,57.5 162.5,81 158.5,85 158.184,85 158.024,84.84 157.369,84.84 v2(157.264,84.736)
  Bottom Layer w0.254: v2(64.119,67.619) 65.5,69 U8.68@65.5,71.8 ; J1.4@155.65,81.025 155.65,83.26 157.125,84.736 v2(157.264,84.736)
USB_D+: U8.71 X4.6 | length 41.2
  Top Layer w0.254: v2(47.5,70.5) 47.505,70.505 63.713,70.505 v2(63.718,70.51)
  Bottom Layer w0.254: X4.6@26.036,65.434 27.934,65.434 27.953,65.454 35.92,65.454 40.124,69.658 46.558,69.658 47.4,70.5 v2(47.5,70.5) ; v2(63.718,70.51) 63.718,70.658 63.991,70.931 63.991,71.791 U8.71@64,71.8
USB_D-: U8.70 X4.4 | length 43.3
  Top Layer w0.254: v2(48.5,69.75) 64.26,69.75 v2(64.308,69.702)
  Bottom Layer w0.254: X4.4@26.036,62.894 28.141,65 36.108,65 40.312,69.204 47.806,69.204 48.352,69.75 v2(48.5,69.75) ; v2(64.308,69.702) 64.308,69.85 64.5,70.042 U8.70@64.5,71.8
VCOM: C34.2 C36.2 R22.2 X1.6 X1.46 | length 65.4
  Top Layer w0.254: v2(120.25,49) v2(120.25,52.5)
  Bottom Layer w0.254: X1.6@100.5,54.5 100.523,54.477 100.523,52.84 105.613,47.75 117,47.75 118.25,49 v2(120.25,49) ; v2@120.5,52.75 X1.46@120.5,54.5 120.523,54.523 120.523,55.592 121.71,56.778 139.89,56.778 141.077,57.965 141.077,64.077 R22.2@141.25,64.25 141.25,66.133 141.726,66.609 141.726,67.426 C36.2@142.5,68.2 142.5,69.51 142.351,69.659 142.287,69.659 141.75,70.196 C34.2@141.75,70.496
VDD_IO: FB1.1 R1.1 R3.1 X1.7 X1.39 | length 79.1
  Top Layer w0.254: v2(117,49) v2(117,52.5)
  Bottom Layer w0.254: X1.7@101,54.5 101.023,54.477 101.023,52.982 105.505,48.5 116.352,48.5 116.852,49 v2(117,49) ; X1.39@117,54.5 v2(117,52.5) 119.319,50.181 123.496,50.181 123.504,50.173 139.435,50.173 145.002,55.74 145.002,68.452 R1.1@145.3,68.75 144.25,69.8 144.25,71.7 R3.1@145.3,72.75 144.25,73.8 144.25,75.75 144.627,76.127 144.627,76.377 FB1.1@145,76.75
VGH: C42.1 C44.1 C46.1 R24.2 R26.1 VD3.2 X1.41 | length 30.2
  Bottom Layer w0.254: X1.41@118,54.5 118.023,54.523 118.023,55.876 123.897,61.75 129,61.75 129.438,62.188 129.438,62.389 130.25,63.2 C46.1@130.25,63.5 130.25,63.8 129.2,64.85 C42.1@129.2,66.25 C44.1@129.2,68.25 130.275,69.325 VD3.2@130.275,70.75 130.275,70.905 129.947,71.233 129.907,71.233 129.2,71.94 R26.1@129.2,73.25 R24.2@129.2,75.25
VGL: C43.2 C45.2 C47.2 R25.2 R27.2 VD4.1 X1.42 | length 33.3
  Bottom Layer w0.254: X1.42@118.5,54.5 118.523,54.523 118.523,55.734 124.085,61.296 129.808,61.296 132.012,63.5 C47.2@133.25,63.5 133.623,63.873 133.623,65.073 C45.2@134.8,66.25 C43.2@134.8,68.25 134.8,68.545 132.75,70.595 VD4.1@132.75,70.75 133.078,71.078 133.078,71.528 R27.2@134.8,73.25 R25.2@134.8,75.25
VLED+: C17.2 C18.2 C20.2 U1.5 VD1.2 X1.1 X1.2 | length 36
  Bottom Layer w0.254: 98,52.5 98.5,53 X1.2@98.5,54.5
  Bottom Layer w0.508: VD1.2@81,47.5 81,53.05 82.45,54.5 C17.2@82.75,54.5 ; U1.5@82.75,56.975 C17.2@82.75,54.5 ; C20.2@85.041,54.45 85.091,54.5 C18.2@86.896,54.5 ; C20.2@85.041,54.5 C17.2@82.75,54.5 ; C18.2@86.896,54.45 C18.2@86.929,54.45 ; C18.2@86.929,54.416 C18.2@86.929,54.45 ; C18.2@86.929,54.466 C18.2@86.929,54.45 ; X1.1@98,54.5 98,52.5 98,49.5 97.75,49.25 91.5,49.25 89,51.75 89,53.25 87.8,54.45 C18.2@86.929,54.45
VLED-: R9.2 R12.2 R98.2 X1.3 X1.4 | length 15.9
  Bottom Layer w0.254: X1.3@99,54.5 99,56.477 ; 99.023,56.477 99.477,56.023 X1.4@99.477,54.523
  Bottom Layer w0.508: R9.2@87.95,58.25 89.7,56.5 92.5,56.5 99,56.5
WM8731_ADC_SD: U6.6 U8.79 | length 43.2
  Top Layer w0.254: v2(45.25,50.5) v2(54,50.5)
  Bottom Layer w0.254: v2(45.25,50.5) 45.257,50.507 45.257,51.54 U6.6@45.275,51.559 ; v2(54,50.5) 54,63.142 51.908,65.234 51.908,74.408 52.5,75 U8.79@60.3,75
WM8731_BCLK: U6.3 U8.78 | length 42
  Top Layer w0.254: v2(45.238,54.779) 45.267,54.75 v2(54.75,54.75)
  Bottom Layer w0.254: U6.3@43.325,51.559 43.343,51.577 43.343,52.843 45.238,54.738 v2(45.238,54.779) ; v2(54.75,54.75) 54.75,63.332 52.362,65.72 52.362,74.158 52.704,74.5 U8.78@60.3,74.5
WM8731_DAC_SD: U6.4 U8.80 | length 46.5
  Top Layer w0.254: v2(44,49.5) v2(53.25,49.5)
  Bottom Layer w0.254: U6.4@43.975,51.559 43.987,51.546 43.987,49.513 v2(44,49.5) ; v2(53.25,49.5) 53.273,49.523 53.273,63.227 51.454,65.046 51.454,74.704 52.25,75.5 U8.80@60.3,75.5
WM8731_SCK: U6.24 U8.84 | length 48.2
  Top Layer w0.254: v2(47.25,48) 47.271,47.979 51.129,47.979 v2(51.15,47.959)
  Bottom Layer w0.254: U6.24@44.625,44.359 44.643,44.377 44.643,45.393 v2(47.25,48) ; v2(51.15,47.959) 52.523,49.332 52.523,54.656 52.594,54.727 52.594,62.906 51,64.5 51,76.5 52,77.5 U8.84@60.3,77.5
WM8731_SDA: U6.23 U8.87 | length 47.4
  Bottom Layer w0.254: U6.23@45.275,44.359 45.275,44.909 45.423,45.057 45.423,45.091 47.727,47.395 49.145,47.395 52.069,50.319 52.069,54.844 52.14,54.915 52.14,62.361 50.5,64.001 50.5,76.678 52.822,79 U8.87@60.3,79
WM8731_WS_LRC: U6.5 U6.7 U8.77 | length 42.8
  Top Layer w0.254: v2(45.619,53.854) 45.666,53.901 55.401,53.901 v2(55.5,54)
  Bottom Layer w0.254: U6.5@44.625,51.559 44.625,52.109 44.773,52.257 44.773,52.291 45.067,52.586 ; v2(45.619,53.854) 45.619,53.706 45.067,53.154 45.067,52.586 ; U6.7@45.925,51.559 45.907,51.577 45.907,52.162 45.483,52.586 45.067,52.586 ; v2(55.5,54) 55.5,63.382 52.816,66.066 52.816,73.803 53.013,74 U8.77@60.3,74
pads on no net: C48. C54. C67. C75. C78. C86. C94. C95. C98. C99. C101. C102. C103. C106. D1. D2. ESP1.1 ESP1.2 ESP1.4 ESP1.5 ESP1.6 ESP1.7 ESP1.11 ESP1.13 ESP1.14 IC1. IC1.1@102.1,86.2 IC1.7 IC1.8 IC1.15 IC1.18 IC1.19 IC1.20 IC1.21 IC1.22 IC1.23 IC1.24 IC1.27 IC1.28 IC1.29 IC1.30 IC1.31 IC1.32 IC1.33 IC1.34 IC1.35 IC1.36 IC1.37 IC1.41 IC1.42 IC1.43 IC1.44 IC1.46 J1.1 J1.7 JTAG_STM1. JTAG_STM1.9 JTAG_STM1.10 MicroSD1.0 MicroSD1.1 MicroSD1.8 MicroSD1.9 MicroSD1.GND Q2. R22. SW1. SW2. SW3. T1.0 U1. U2. U4.28 U5.28 U6. U6.2 U6.12 U6.13 U6.26 U7. U8. U8.1@61.3,87.2 U9.1 U9.10@48.15,30.15 U9.25 VD1. VD2. VD3.4 VD4.4 VD5. VD6. VD7. VD8. VD9. VD10. VD11. VD12. VD13. VD14. VD15. VD16.4 X1.45 X1.49 X1.50 X1.51 X2. X3.28 X4. X5.28 X6.42 X7.30
copper on no net:
  other v2: 170.75,59 179.75,59.5 221.25,63.5 191,64.5 170.25,70.75 180,70.75 222.75,70.75 200,72 203.75,73.75 215.75,73.75 219.5,73.75 192.25,78 196.25,87.25
  other v3: 163.5,116

## Polygon pours and split planes (outlines as drawn)
GND on Top Layer "Top" (solid, remove dead copper, pour order 0): 310,130 0,130 0,0 310,0
GND on Bottom Layer "Top" (solid, remove dead copper, pour order 1): 310,130 0,130 0,0 310,0

## Keep-outs
Keep-Out Layer:
  circle w0.1: c240,35 r24.906
  circle w0.1: c10,20 r8.062
  pour cut-out: 10,11.938 cw(c10,20) 1.938,20 cw(c10,20) 10,28.062 cw(c10,20) 18.062,20 cw(c10,20)
  lines w0.254: 0,0 310,0 310,130 0,130 0,0 ; 5,38.75 5,48.75 15,48.75 15,38.75 5,38.75 ; 88.5,35.5 88.5,41.5 133,41.5 133,35.5 88.5,35.5 ; 149.25,61.75 149.25,66.75 161.25,66.75 161.25,61.75 149.25,61.75

## Silkscreen, mask and mechanical layers (free items; w line width, h text height)
Top Overlay:
  lines w0.2: 30,20 194,20 194,120 30,120 30,20 ; 88.5,35.5 133,35.5 133,41.5 88.5,41.5 88.5,35.5 ; 149.25,61.75 161.25,61.75 161.25,66.75 149.25,66.75 149.25,61.75
  text "Wolf2 - Front v0.9 Wolf Team" at 44.5,121.571 h6
  text "+" at 11,110.316 h2
Bottom Overlay:
  lines w0.2: 141.75,102.5 195.25,102.5 195.25,127.5 141.75,127.5 141.75,102.5
  lines w0.254: 34.25,40.25 39,40.25 41.04,38.21 ; 70.75,55 80.75,55 81.75,56 ; 82.25,50.5 83,49.75 83,46.25 ; 140.604,66.1 140.9,66.1 ; 141.2,66.05 144.5,62.75 144.5,61.75
  text "+" at 24,109.538 h5
  text "3v3" at 20.25,97.261 h1
  text "3v3" at 29.761,96 h1 r270
  text "SWO" at 20.24,95 h1 r90
  text "SWCLK" at 29.76,92.25 h1 r270
  text "G" at 20,91.01 h1
  text "G" at 30.5,91.01 h1
  text "RST" at 20,88.76 h1
  text "+" at 58.5,88.223 h3
  text "SWDIO" at 29.76,87.5 h1 r270
  text "LHP" at 20.25,70.75 h1
  text "+12v" at 30.25,69.5 h1 r270
  text "RHP" at 20.25,69.25 h1
  text "PTT_IN" at 32.75,67.428 h1
  text "D+" at 31,65.25 h1
  text "DASH" at 20.25,64.51 h1
  text "D-" at 30.75,62.75 h1
  text "DOT" at 20.037,62.602 h1
  text "PTT_OUT" at 33.75,60.428 h1
  text "MUTE" at 20.25,59.76 h1
  text "GND" at 22.5,49.766 h1.5
  text "LH_O" at 23,47.267 h1.5
  text "LH_D" at 23,44.767 h1.5
  text "RH_D" at 23.25,42.267 h1.5
  text "RH_O" at 23.25,39.767 h1.5
  text "PTT" at 6,34 h1.5
  text "LH" at 8.25,34 h1.5
  text "RH" at 11,34 h1.5
  text "G" at 13,34.016 h1.5
  text "MIC" at 16.25,34.016 h1.5
Mechanical 1:
  the board outline again, w0.254

## Text inside footprints (layer, text, board x,y; h text height)
ESP1: Bottom Overlay "ESP" at 177.075,39.394 h4; Bottom Overlay "Resset" at 179.65,36.29 h1.5; Bottom Overlay "ADC" at 179.65,34.276 h1.5; Bottom Overlay "CH_PD" at 179.65,32.466 h1.5; Bottom Overlay "GPIO16" at 179.65,30.276 h1.5; Bottom Overlay "GPIO14" at 179.65,28.401 h1.5; Bottom Overlay "GPIO12" at 179.65,26.242 h1.5; Bottom Overlay "GPIO13" at 179.65,24.257 h1.5; Bottom Overlay "VCC" at 179.648,22.242 h1.5; Bottom Overlay "GND" at 170.691,22.242 h1.5; Bottom Overlay "GPIO15" at 172.575,24.257 h1.5; Bottom Overlay "GPIO2" at 171.812,26.242 h1.5; Bottom Overlay "GPIO0" at 171.819,28.401 h1.5; Bottom Overlay "GPIO5" at 171.829,30.276 h1.5; Bottom Overlay "GPIO4" at 171.818,32.217 h1.5; Bottom Overlay "RXD" at 170.508,34.259 h1.5; Bottom Overlay "TXD" at 170.433,36.275 h1.5
FU1: Bottom Overlay "F" at 28.25,113.275 h1.5 r90